# KiCad board mainboard.kicad_pcb (continued)
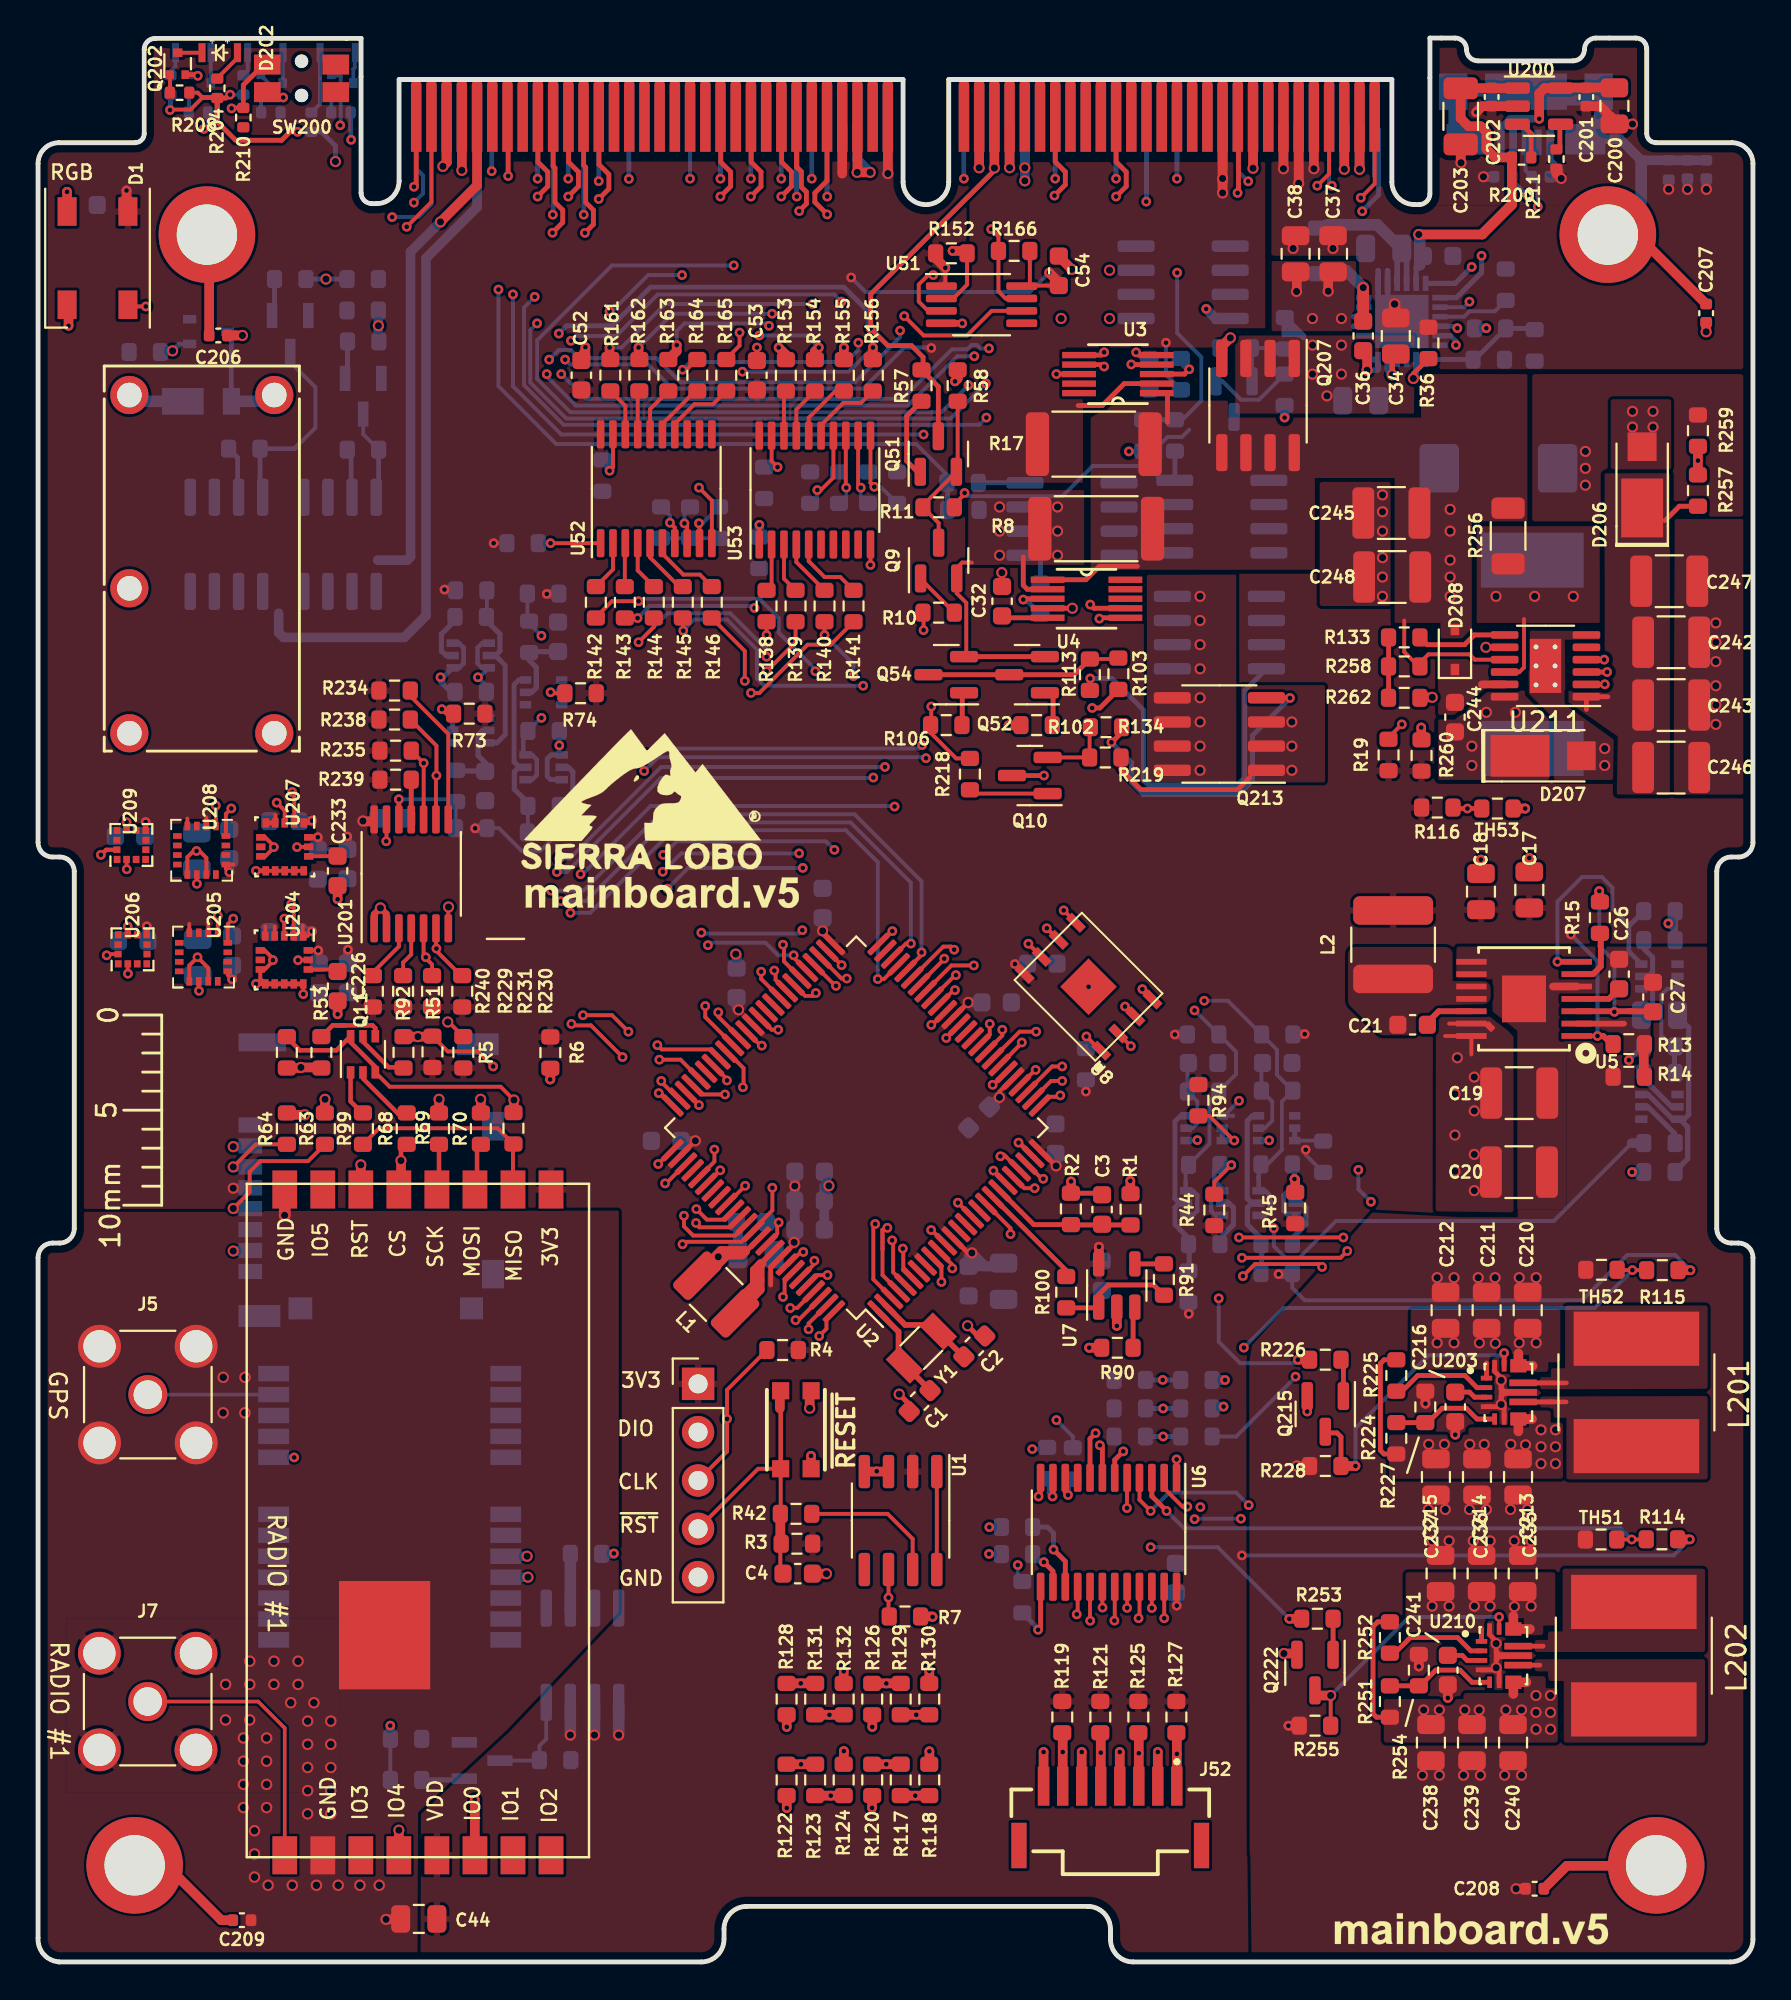
[diagram p0: board, top side]
## Routing (per net, layer and track width the routed paths; a pad name or vN(x,y) marks a point on that pad's centre or on a via; arc(x,y) is an arc through that point) (continued)
  In2.Cu w0.203: v3(50.12,91.1) 50.32,91.3 57.03,91.3 v3(58.27,92.54)
  Bottom w0.254: v3(58.27,92.54) 58.28,92.56 58.28,96.55
/SLI_Card/H1-43: length 20.3
  Top w0.203: U51.2 48.12,87.45 48.85,88.18 R152.2
  Top w0.508: R152.2 48.72,89.95 v3(48.08,89.95)
  In2.Cu w0.203: v3(59.88,93.75) 58.56,93.75 56.44,91.63 49.76,91.63 v3(48.08,89.95)
  Bottom w0.254: v3(59.88,93.75) 59.88,96.55
/SLI_Card/Payload_Regulator/EN: length 13.7
  Top w0.203: R255.1 v2(67.97,14.01) ; U210.14 v3(76.82,18.14)
  Top w0.508: 67.14,14.21 67.35,14.01 v2(67.97,14.01)
  Bottom w0.203: v3(76.82,18.14) 72.09,18.14 v2(67.97,14.01)
/SLI_Card/RBF: length 87.7
  Top w0.508: R102.2 51.67,65.01 v3(51.03,65.01)
  In2.Cu w0.203: v3(65.54,81.19) 64.44,81.19 58.6,87.03 53.06,87.03 v3(48.92,82.89) 48.16,82.13 48.16,67.88 v3(51.03,65.01) ; v3(36.58,89.19) 36.53,89.24 36.53,91.35 34.28,93.6 v3(34.28,93.75)
  Bottom w0.203: v3(34.28,93.75) 34.28,96.55 ; v3(48.92,82.89) 47.5,81.47 27.99,81.47 26.24,83.22 26.24,85.26 30.18,89.19 v3(36.58,89.19)
  Bottom w0.508: v3(65.54,81.19) R105.2
/SLI_Card/RF_Regulator/EN: length 15
  Top w0.254: 67.68,27.81 68.3,27.81 68.51,27.61 68.51,26.27 ; 77.09,32.07 U203.14
  Top w0.508: v3(69.27,26.07) R228.1
  Bottom w0.203: 69.27,26.27 69.27,28.06 73.1,31.89 76.84,31.89 76.86,31.87 77.01,32.01 v3(77.09,32.01)
/SLI_Card/SEP1: length 51.5
  Top w0.203: R10.2 46.56,70.9 v3(46.56,70.02)
  In2.Cu w0.203: v3(24.97,87.67) 24.64,87.34 23.39,87.34 20.26,90.47 20.26,92 v3(19.76,92.49) ; v3(46.56,80.3) v3(46.56,70.02)
  Bottom w0.203: v3(24.97,87.67) 24.97,82.84 27.51,80.3 v3(46.56,80.3) ; v3(19.76,92.49) 20.25,92.98 20.25,93.92 19.88,94.28 P1.1
/SLI_Card/SEP2: length 43.7
  Top w0.254: v3(19.76,93.33) 19.88,93.45 P1.2
  In2.Cu w0.203: v3(19.76,93.33) 20.59,92.5 20.59,90.65 23.57,87.67 23.96,87.67 v3(24.21,87.92)
  Bottom w0.203: R111.1 47.79,78.19 46.18,79.79 27.26,79.79 24.21,82.84 v3(24.21,87.92)
  Bottom w0.254: R220.2 47.83,77.72
/SLI_Card/SEP3: length 29.5
  In2.Cu w0.203: v3(69.62,92.04) 69.09,92.04 68.28,91.22 65.1,91.22 63.07,89.19 60.28,89.19 v3(59.9,88.81)
  Bottom w0.203: v3(59.9,88.81) 59.9,85.64 61.17,84.37 61.17,82.08 60.16,81.08 R112.1
  Bottom w0.254: R112.1 R221.2 ; 70.27,96.55 70.49,96.33 70.49,92.9 v3(69.62,92.04) ; P1.119 70.28,93.87
/SLI_Card/SEP4: length 52.1
  Top w0.203: R218.2 48.27,63.27 46.93,64.62 R106.2 46.97,65.06 v3(46.97,66) ; v3(69.55,92.75) 70.28,93.48 P1.120
  In2.Cu w0.203: v3(46.97,66) 47.45,66.48 47.45,84.11 52.91,89.57 62.69,89.57 64.72,91.61 67.87,91.61 69.01,92.75 v3(69.55,92.75)
/SLI_Card/~{USB_FLAG}: length 1.9
  Top w0.254: R200.2 78.51,96.11 78.01,96.61
AIN4: length 72.1
  Top w0.203: U2.5 44.96,36.26 44.96,37.88 v3(44.91,37.93)
  In2.Cu w0.203: v3(28.69,91.86) 28.27,91.44 28.27,90.68 28.64,90.31 31.47,90.31 34.73,87.06 34.73,80.71 36.4,79.03 36.4,74.08 35.43,73.1 35.43,68.95 34.88,68.41 34.88,58.33 35.7,57.51 35.7,52.63 38.43,49.9 39.65,49.9 45.14,44.41 45.14,38.16 v3(44.91,37.93)
  Bottom w0.254: 28.7,96.56 28.7,91.85
AIN5: length 5.8
  Top w0.254: U2.18 54.06,36.35 R100.2
AIN7: length 70.1
  Top w0.203: U2.20 50.92,40.92 v3(50.23,41.6)
  Top w0.254: v3(28.76,90.9) 29.2,91.35 29.2,92.1 28.79,92.51 28.79,94.35 28.68,94.46 P1.24
  In2.Cu w0.203: v3(28.76,90.9) 32.4,90.9 35.39,87.92 35.39,81.44 37.06,79.77 37.06,73.72 36.09,72.75 36.09,68.68 35.54,68.13 35.54,59.2 36.4,58.33 36.4,54.1 37.29,53.21 37.29,51.98 38.69,50.58 39.96,50.58 48.94,41.6 v3(50.23,41.6)
AIN10: length 71.8
  Top w0.203: U2.3 43.92,35.89 43.92,38.7 v3(44.02,38.8)
  In2.Cu w0.203: v3(27.07,91.86) 26.56,91.35 26.56,89.57 27.14,88.99 29.75,88.99 32.41,86.32 32.41,74 33.35,73.06 33.35,57.19 34.01,56.53 34.01,53.02 36.27,50.76 36.27,49.62 36.93,48.96 38.2,48.96 44.02,43.14 v3(44.02,38.8)
  Bottom w0.254: P1.19 27.08,91.85
AIN11: length 73.9
  Top w0.203: v3(44.66,38.6) 44.56,38.49 44.4,38.49 ; 44.4,38.49 44.4,37.48 ; 44.4,38.49 44.4,37.48 ; 44.4,37.48 44.4,36.11 U2.4
  Top w0.254: v3(27.05,90.91) 27.59,91.45 27.59,92.1 27.18,92.51 27.18,94.31 27.08,94.41 P1.20
  In2.Cu w0.203: v3(27.05,90.91) 27.05,89.76 27.49,89.32 29.88,89.32 32.74,86.46 32.74,80.66 35.26,78.14 35.26,74.71 34.44,73.89 34.44,69.45 33.81,68.82 33.81,57.37 34.34,56.83 34.34,53.35 38.13,49.57 39.32,49.57 44.66,44.23 v3(44.66,38.6)
BATT_NTC: length 156.3
  Top w0.203: v3(57.25,23.86) 57.25,24.89 57.26,24.9 U6.5
  Top w0.272: U211.8 v2(76.13,69.11)
  In2.Cu w0.203: v2(76.13,69.11) 75.9,69.35 75.9,77.03 73.53,79.39 58.65,79.39 56.85,81.19 v3(49.86,81.19) 49.86,79.64 52.45,77.05 52.45,74.1 53.67,72.89 55.22,72.89 57,71.11 57,56.66 61.8,51.86 61.8,48.42 64.43,45.78 67.4,45.78 68.81,44.37 68.81,39.28 68.13,38.6 68.13,36.37 67.14,35.38 67.14,33.28 65.56,31.7 65.56,29.83 63.09,27.37 63.09,23.46 v3(63.25,23.3) ; v3(60.81,23.28) 60.23,22.69 57.89,22.69 57.25,23.33 v3(57.25,23.86) ; v3(26.11,87.54) 23.85,89.8 v3(23.85,94.15)
  Bottom w0.203: v3(60.81,23.28) 60.84,23.3 v3(63.25,23.3) ; v3(26.11,87.54) 25.55,86.98 25.55,82.89 27.64,80.81 49.48,80.81 v3(49.86,81.19)
  Bottom w0.254: v3(23.85,94.15) 23.85,96.55
BURN_RELAY_A: length 72.9
  Top w0.203: v3(30.73,47.57) 29.07,49.24 28.12,49.24 v3(28.04,49.31) ; 36.22,39.85 v3(37.18,40.81)
  In2.Cu w0.203: v3(30.73,47.57) 30.73,46.6 33.56,43.78 35.28,43.78 37.18,41.88 v3(37.18,40.81) ; v2(7.07,84.7) 7.07,85.11 8.26,86.3 13.13,86.3 16.84,82.59 23.95,82.59 27.51,79.03 27.51,70.31 28.24,69.58 28.24,58.62 29.06,57.8 29.06,52.01 28.04,50.99 v3(28.04,49.31)
  Bottom w0.203: 7.43,85.05 7.96,85.05 Q6.1
  Bottom w0.254: 6.25,84.7 v2(7.07,84.7) 7.43,85.05
  Bottom w0.508: R25.1 6.5,84.7 v2(7.07,84.7)
CTS_MCU_3: length 56.7
  Top w0.203: U2.45 47.6,53.38 48.01,53.38 v3(48.17,53.22)
  Top w0.254: P1.78 53.48,94.64 54.02,94.11 54.02,93.43 v3(53.44,92.86)
  In2.Cu w0.203: v3(53.44,92.86) 53.2,92.62 48.91,92.62 41.86,85.57 41.86,70.78 42.37,70.27 42.37,59.47 45.4,56.44 45.41,56.44 48.17,53.68 v3(48.17,53.22)
CTS_MCU_4: length 52.8
  Top w0.203: v3(38.02,52.06) 38.02,51.68 U2.59
  In2.Cu w0.203: v3(29.48,93.62) 29,93.14 29,92.27 29.91,91.35 32.51,91.35 35.72,88.14 35.72,81.88 37.39,80.2 37.39,73.59 36.42,72.61 36.42,68.51 35.89,67.98 35.89,59.86 36.86,58.89 36.86,54.1 37.67,53.29 37.67,52.41 v3(38.02,52.06)
  Bottom w0.254: v3(29.48,93.62) 29.48,96.42
EN_PAYLOAD: length 50.3
  Top w0.203: 36.22,47.86 37.1,46.99 37.1,46.02 v3(37.06,45.99)
  Top w0.508: v3(65.79,18.04) 66.44,18.04 R253.2
  In2.Cu w0.203: v3(58.5,21.81) 56.11,21.81 55.37,22.54 55.37,26.66 54.97,27.06 54.97,30.52 48.31,37.17 47.63,37.17 46.15,35.7 44.91,35.7 40.97,39.64 40.97,42.08 v3(37.06,45.99)
  Bottom w0.203: v3(58.5,21.81) 62.02,21.81 v3(65.79,18.04)
EN_RF: length 22.1
  Top w0.203: U2.17 51.13,38.57 v3(51.13,38.27)
  Top w0.508: v3(66.24,31.66) R226.2
  In2.Cu w0.203: v3(62.08,34.89) 54.51,34.89 v3(51.13,38.27)
  Bottom w0.203: v3(66.24,31.66) 66.05,31.48 63.2,31.48 62.08,32.6 v3(62.08,34.89)
ENAB_BURN1: length 65.1
  Top w0.203: U2.85 36.07,39.02 35.17,39.02 v3(34.61,39.58)
  In2.Cu w0.203: v2(15.14,88.47) 15.14,87.59 19.26,83.48 24.21,83.48 28.17,79.52 28.17,70.59 28.9,69.86 28.9,59.06 29.72,58.24 29.72,49.44 28.86,48.58 28.86,46.57 33.89,41.54 33.89,40.31 v3(34.61,39.58)
  Bottom w0.254: R32.2 v2(15.14,88.47) R27.1
ENAB_BURN2: length 62.1
  Top w0.203: v3(34.6,38.85) 34.77,38.68 34.77,38.62 36.38,38.62 U2.86
  In2.Cu w0.203: v3(34.6,38.85) 35,38.85 35.25,39.11 35.25,39.62 34.27,40.6 34.27,41.79 29.52,46.55 29.52,48.43 30.08,48.99 30.08,58.55 29.23,59.41 29.23,70.2 28.5,70.93 28.5,79.69 24.34,83.86 20.06,83.86 v2(17.89,86.02)
  Bottom w0.508: R33.2 17.89,85.22 v2(17.89,86.02) R28.1
ENAB_GPS: length 44.8
  Top w0.203: U2.98 39.98,33.74 v3(39.83,33.74)
  In2.Cu w0.203: v3(39.83,33.74) 39.88,33.79 41.05,33.79 41.66,33.19 41.66,22.39 32.57,13.3 27.49,13.3 26.61,12.43 v3(18.52,12.43)
  Bottom w0.203: R21.1 R22.1
  Bottom w0.508: v3(18.52,12.43) 18.52,11.73 R21.1
FLASH_CS: length 6.7
  Top w0.203: U2.33 51.61,48.91 v3(52.48,48.91) ; 55.87,47.91 v3(55.12,48.65)
  In2.Cu w0.203: v3(52.48,48.91) 52.73,48.65 v3(55.12,48.65)
FLASH_IO2: length 9.4
  Top w0.203: v3(53.85,47.08) 53.32,47.08 U2.28 ; 57.68,49.7 v3(57.15,50.23)
  Top w0.338: U8.3 57.17,50.23 v3(57.15,50.23)
  In2.Cu w0.203: v3(57.15,50.23) 57.15,48.76 55.48,47.08 v3(53.85,47.08)
FLASH_IO3: length 17.9
  Top w0.203: U2.29 52.43,46.9 v3(52.45,46.9) ; 52.23,53.38 52.77,52.84 v3(52.07,53.53)
  In2.Cu w0.203: v3(52.45,46.9) 52.45,47.66 52.89,48.09 55.42,48.09 55.88,48.56 55.88,48.91 55.17,49.62 54.36,49.62 53.6,50.38 53.6,54.75 53.34,55 52.53,55 52.07,54.55 v3(52.07,53.53)
FLASH_MISO: length 7.2
  Top w0.203: v3(53.85,46.32) 53.26,46.32 U2.27 ; 56.8,48.8 v3(57.46,48.15)
  In2.Cu w0.203: v3(57.46,48.15) 57.46,48.09 55.68,46.32 v3(53.85,46.32)
FLASH_MOSI: length 16.3
  Top w0.203: U2.26 53.14,45.48 53.68,45.48 v3(53.75,45.55) ; 54.57,54.64 v3(53.93,55.28)
  In2.Cu w0.203: v3(53.75,45.55) 52.94,46.37 52.94,47.28 53.29,47.64 55.43,47.64 56.34,48.55 56.34,49.31 55.48,50.18 54.77,50.18 54.16,50.79 54.16,55.05 v3(53.93,55.28)
FLASH_SCK: length 9.8
  Top w0.203: v3(51.73,48.34) 51.73,48.31 U2.32 ; 53.14,54.24 53.65,53.73 v3(53.04,54.34)
  In2.Cu w0.203: v3(51.73,48.34) 51.73,48.87 53.04,50.18 v3(53.04,54.34)
GPS_PWR_IN: length 3.2
  Bottom w0.61: 27.99,21.58 27.99,18.38
MISO: length 95.9
  Top w0.203: v3(45.89,53.54) 45.64,53.54 U2.48 ; v2(25.02,45.31) 24.32,46.01 18.49,46.01 Q11.3 ; 38.31,70.4 v3(38.31,69.76)
  Top w0.235: Q11.3 17.73,47.05 16.43,48.35 Q11.6 15.69,47.93 13.76,47.93 13.08,48.61
  Top w0.508: 25.01,44.63 25.02,44.65 v2(25.02,45.31)
  In2.Cu w0.203: v3(38.31,69.76) 38.39,69.76 39.54,68.62 39.54,57.28 39.88,56.93 41.46,56.93 44.85,53.54 v3(45.89,53.54) ; v3(27.49,55.77) 27.49,52.67 20.86,46.04 14.68,46.04 13.36,44.72 13.36,44.18 13.67,43.88 23.59,43.88 v2(25.02,45.31)
  Bottom w0.203: v3(27.49,55.77) 28.81,55.77 32.95,59.91 42.73,59.91 45.89,56.74 v3(45.89,53.54)
MISO_RF1: length 11
  Top w0.203: 24.97,42.95 U23.10 ; R99.2 17.93,43.83 24.17,43.83 25.01,42.98
MISO_SD: length 15.9
  Top w0.235: 13.08,47.03 13.82,47.03 v2(13.82,47.03) 13.83,47.03 15.08,47.03
  Top w0.508: R53.2 14.86,47.03 v2(13.82,47.03) 13.79,47 R104.1
  In2.Cu w0.203: v2(10.26,37.38) 11.03,38.14 11.03,44.34 13.72,47.03 v2(13.82,47.03)
  Bottom w0.508: v2(10.26,37.38) 11.14,37.38 J1.7
MOSI: length 110.9
  Top w0.203: 29.34,70.65 29.34,70.7 ; v3(31.57,71.54) 30.18,71.54 29.33,70.69 R142.1 ; v3(46.45,53.07) 46.45,52.94 U2.46 ; v2(23.27,45.35) 23.27,44.65
  Top w0.508: v2(23.27,45.35) 23.28,45.34 R70.1 ; R64.2 13.18,44.54 v2(14.02,44.54)
  In2.Cu w0.203: v3(26.98,56.32) 26.96,56.31 26.96,52.93 20.5,46.47 14.63,46.47 12.83,44.67 12.83,43.75 13.11,43.47 24.59,43.47 25.81,44.69 25.81,45.63 25.38,46.06 23.98,46.06 v2(23.27,45.35) 22.46,44.54 v2(14.02,44.54) ; v3(40.87,67.85) 41.02,67.7 41.02,58.13 42.04,57.11 43.08,57.11 46.45,53.74 v3(46.45,53.07)
  Bottom w0.203: v3(31.57,71.54) 31.7,71.67 37.92,71.67 38.94,70.65 38.94,69.89 40.87,67.96 v3(40.87,67.85) ; v3(26.98,56.32) 28.68,56.32 32.7,60.34 42.93,60.34 46.45,56.81 v3(46.45,53.07)
MOSI_RF1: length 2.5
  Top w0.235: 23.08,43.02 23.08,40.51
MOSI_SD: length 4.2
  Top w0.203: R64.1 11.45,42.98 v2(10.26,41.8)
  Bottom w0.508: J1.3 10.27,41.8 v2(10.26,41.8)
MUX_S0: length 29.2
  Top w0.203: v3(36.12,45.61) 34.91,45.61 U2.72
  In2.Cu w0.203: v3(36.12,45.61) 36.12,45.45 40.58,41 40.58,39.56 44.77,35.37 45.9,35.37 52.78,28.49 v3(53.55,28.49)
  Bottom w0.203: R79.1 54.41,27.62 v3(53.55,28.49)
MUX_S1: length 26.8
  Top w0.203: U2.80 34.78,41.29 35.56,42.08 v3(35.56,42.71)
  In2.Cu w0.203: v3(52.28,26.96) 52.28,27.22 44.98,34.51 44.59,34.51 39.21,39.89 37.01,39.89 36.48,40.42 36.48,41.8 v3(35.56,42.71)
  Bottom w0.203: R80.1 52.97,26.96 v3(52.28,26.96)
MUX_S2: length 29.6
  Top w0.203: v3(35.87,41.62) 35.16,40.91 U2.81
  In2.Cu w0.203: v3(50,21.45) 50.68,22.13 50.68,27.88 39.04,39.51 36.83,39.51 35.87,40.47 v3(35.87,41.62)
  Bottom w0.203: R81.1 50.01,21.44 v3(50,21.45)
MUX_S3: length 23.7
  Top w0.203: U2.95 40.82,36.7 v3(40.82,36.87)
  In2.Cu w0.203: v3(40.82,36.87) 40.82,35.83 48.97,27.67 48.97,21.63 49.74,20.87 v3(51.51,20.87)
  Bottom w0.203: v3(51.51,20.87) 51.51,20.24 R88.1
NeoPixel_Out: length 76.6
  Top w0.254: v3(63.07,93) 63.12,93.05 63.12,96.55
  Top w0.508: D1.2 1.53,93.05 v3(1.52,93.06)
  In2.Cu w0.203: v3(45.33,85.76) 45.64,85.76 50.85,90.97 58.05,90.97 59.2,92.11 62.82,92.11 63.07,92.37 v3(63.07,93) ; v3(1.52,93.06) 1.52,93.18 2.75,94.4 10.62,94.4 20.65,84.37 26.75,84.37 v3(26.88,84.24)
  Bottom w0.203: v3(26.88,84.24) 27.38,84.75 28.02,84.75 28.45,84.31 32.52,84.31 33.79,83.04 42.95,83.04 45.33,85.42 v3(45.33,85.76)
PA19: length 55.5
  Top w0.203: 39.73,52.8 U2.55
  Top w0.254: 27.9,96.56 27.9,94.62 28.41,94.11 28.41,93.34 v3(27.88,92.81)
  In2.Cu w0.203: v3(35.22,53.45) 35.36,53.59 35.36,57.09 34.5,57.95 34.5,68.49 35.1,69.09 35.1,73.41 36.02,74.33 36.02,78.65 34.4,80.27 34.4,86.75 31.17,89.98 28.25,89.98 27.88,90.35 v3(27.88,92.81)
  Bottom w0.203: v3(39.73,52.92) 38.92,52.92 38.26,53.58 35.35,53.58 v3(35.22,53.45)
PB16: length 63.8
  Top w0.203: U2.64 37.99,48.17 v3(38.05,48.17)
  In2.Cu w0.203: v3(41.49,92.81) 41.98,92.33 41.98,91.62 41.73,91.38 41.73,86.78 40.46,85.51 40.46,76.87 40.85,76.49 40.85,69.13 41.71,68.26 41.71,58.63 v3(41.87,58.47) ; v3(38.05,48.17) 36.4,48.17 32.26,52.31 32.26,57.59 v3(32.87,58.2)
  Bottom w0.203: v3(41.87,58.47) 41.43,58.92 33.58,58.92 v3(32.87,58.2)
  Bottom w0.254: v3(41.49,92.81) 41.48,92.82 P1.55
PB17: length 61.1
  Top w0.203: v3(35.77,49.92) 35.77,49.7 U2.65 ; 40.38,93.04 40.13,93.29 40.13,94.1 39.88,94.34 39.88,94.83
  Top w0.254: v3(40.02,92.05) 40.4,92.43 40.4,93.06 40.14,93.32 40.14,94.12 39.88,94.38 P1.52 39.88,94.47
  In2.Cu w0.203: v3(40.21,57.52) 40.59,57.9 40.59,58.97 40.2,59.36 40.2,68.84 40.19,68.85 40.19,75.96 39.81,76.34 39.81,91.83 v3(40.02,92.05) ; v3(33.1,56.43) 33.1,53.38 35.77,50.71 v3(35.77,49.92)
  Bottom w0.203: v3(40.21,57.52) 34.19,57.52 v3(33.1,56.43)
PB18: length 65.8
  Top w0.203: U2.66 35.08,49.67 v3(35.08,50.26)
  In2.Cu w0.203: v3(32.84,57.32) 32.59,57.06 32.59,52.75 v3(35.08,50.26) ; 39.87,68.71 39.87,67.69 39.87,68.75 ; 39.87,68.71 39.87,58.43 v3(40.02,58.28) ; 39.87,68.71 39.86,68.72 39.86,75.58 39.48,75.96 39.48,92.39 v3(39.89,92.81)
  Bottom w0.203: v3(39.89,92.81) 39.9,92.82 39.9,94.47 ; v3(40.02,58.28) 33.81,58.28 v3(32.84,57.32)
  Bottom w0.254: 39.9,96.56 39.9,94.47 ; v3(39.89,92.81) 39.88,92.82 P1.51 ; 39.9,93.64 39.9,96.55
PC03: length 77.9
  Top w0.203: U2.6 45.49,36.43 45.49,37.48 v3(45.47,37.5)
  Top w0.254: v3(24.72,93.89) 24.72,96.69
  In2.Cu w0.203: v3(30.05,86.78) 28.86,87.97 26.61,87.97 24.72,89.87 v3(24.72,93.89) ; v3(33.86,88.68) 35.06,87.49 35.06,81.04 36.73,79.36 36.73,73.94 35.76,72.97 35.76,68.82 35.21,68.27 35.21,58.64 36.07,57.77 36.07,52.73 38.57,50.23 39.79,50.23 45.67,44.34 45.67,37.71 v3(45.47,37.5)
  Bottom w0.203: v3(30.05,86.78) 30.18,86.78 32.08,88.68 v3(33.86,88.68)
PC05: length 83.1
  Top w0.203: U2.21 51.85,40.68 v3(52.4,40.68)
  In2.Cu w0.203: v3(52.4,40.68) 52.25,40.53 47.86,40.53 47.55,40.22 47.55,38.14 45.98,36.56 45.01,36.56 42.88,38.7 42.88,42.08 37.7,47.26 36.1,47.26 31.55,51.8 31.55,61.23 32.46,62.14 32.46,72.81 31.65,73.62 31.65,83.02 31.07,83.6 31.07,86.65 29.42,88.3 26.75,88.3 25.78,89.27 25.78,93.27 v3(26.27,93.75)
  Bottom w0.254: v3(26.27,93.75) 26.27,96.55
PC06: length 82.9
  Top w0.203: U2.22 51.15,42.09 51.14,42.09 50.77,42.46 ; v3(50.6,42.35) 50.87,42.35
  Top w0.254: P1.18 26.28,94.62 26.8,94.11 26.8,93.34 v3(26.27,92.81)
  In2.Cu w0.203: v3(26.27,92.81) 26.23,92.77 26.23,89.33 26.9,88.66 29.53,88.66 32.08,86.1 32.08,73.83 32.97,72.94 32.97,61.76 31.88,60.67 31.88,52.02 36.24,47.67 38.15,47.67 43.47,42.34 43.47,38.66 45.11,37.02 45.88,37.02 46.28,37.43 46.28,39.81 47.4,40.93 50.37,40.93 50.88,41.44 50.88,42.08 v3(50.6,42.35)
PC07: length 76.4
  Top w0.203: U2.23 52.77,41.17 v3(52.85,41.17)
  In2.Cu w0.203: v3(40.19,54.24) 40.59,53.84 40.59,51.96 42.07,50.48 46.56,50.48 52.85,44.19 v3(52.85,41.17) ; v3(34.88,54.11) 34.98,54.22 34.98,56.88 34.14,57.72 34.14,68.64 34.77,69.27 34.77,73.59 35.64,74.46 35.64,78.4 33.1,80.94 33.1,87.54 30.99,89.65 27.92,89.65 27.55,90.02 27.55,92.1 27.4,92.26 27.4,93.27 v3(27.88,93.75)
  Bottom w0.203: v3(40.19,54.24) 40.01,54.06 34.93,54.06 v3(34.88,54.11)
  Bottom w0.254: v3(27.88,93.75) 27.88,96.55
PC10: length 59.8
  Top w0.203: U2.40 47.02,49.26 v3(46.97,49.26)
  In2.Cu w0.203: v3(31.07,93.74) 36.38,88.43 36.38,82.61 38.05,80.94 38.05,76.83 38.76,76.12 38.76,74.03 37.07,72.34 37.07,68.15 36.55,67.63 36.55,60.9 37.52,59.93 37.52,54.72 38.41,53.84 38.41,53.23 39.88,51.75 39.88,51.17 41.1,49.95 46.28,49.95 v3(46.97,49.26)
  Bottom w0.254: v3(31.07,93.74) 31.07,96.53
PC11: length 51.7
  Top w0.203: v3(48.21,51.09) 48.14,51.09 U2.41
  Top w0.254: v3(41.49,91.87) 40.85,92.52 40.85,93 41.48,93.64 P1.56
  In2.Cu w0.203: v3(48.21,51.09) 47.07,52.24 47.07,53.73 43.18,57.62 42.04,57.62 41.35,58.31 41.35,68.15 40.52,68.99 40.52,76.16 40.14,76.54 40.14,85.69 41.23,86.78 41.23,91.61 v3(41.49,91.87)
RF1_ANT: length 14.5
  Top w0.191: J7.1 11.57,13.69 12.97,12.29 U23.1
RF1_CS: length 64.3
  Top w0.203: R5.2 21.59,49.42 v2(21.54,49.42) ; U2.68 35.37,47.98 32.79,47.98 v3(32.57,48.2)
  Top w0.235: 19.08,40.51 v2(19.08,42.13) 19.08,43.02
  Top w0.508: v2(19.08,42.13) 19.08,40.72 U23.13
  In2.Cu w0.203: 32.62,48.25 v3(32.57,48.2) 32.67,48.2 33.38,47.49 33.38,46.98 33.23,46.82 32.51,46.82 31.19,48.15 30.28,48.15 30.03,47.89 30.03,46.67 34.7,42 34.7,40.98 35.74,39.94 35.74,38.98 34.98,38.21 33.28,38.21 29.36,42.13 v2(19.08,42.13) 18.22,42.99 12.58,42.99 12.25,43.32 12.25,44.64 15.55,47.94 20.07,47.94 v2(21.54,49.42)
RF1_IO0: length 61
  Top w0.203: 47.38,37.34 48.07,36.65 v3(48.07,36.46)
  Top w0.508: v3(22.96,8.52) 22.96,5.62 U23.6
  In2.Cu w0.203: v3(48.07,36.46) 47.45,36.46 46.94,35.95 46.94,35.29 47.63,34.61 49.33,34.61 54.05,29.88 54.05,26.81 54.71,26.15 54.71,21.88 52.78,19.95 46.89,19.95 44.71,17.77 37.8,17.77 28.55,8.52 v3(22.96,8.52)
RF1_IO4: length 63
  Top w0.203: U2.9 47.5,36.55 v3(47.5,35.75)
  Top w0.508: v2(18.97,6.93) U23.4
  In2.Cu w0.203: v3(47.5,35.75) 48.95,35.75 54.49,30.21 54.49,26.96 55.04,26.4 55.04,21.75 52.92,19.62 47.12,19.62 44.94,17.44 37.98,17.44 28.4,7.86 19.91,7.86 v2(18.97,6.93)
RF1_RST: length 58.4
  Top w0.203: v3(39.55,34.38) 39.91,34.38 U2.97
  Top w0.508: U23.14 16.97,40.61 v2(16.97,41.91)
  In2.Cu w0.203: v2(16.97,41.91) 17.79,41.08 28.7,41.08 32.97,36.82 32.97,19.39 33.53,18.83 35.48,18.83 37.37,20.72 37.37,32.19 v3(39.55,34.38)
RTS_MCU_3: length 55.5
  Top w0.203: U2.44 47.65,52.72 v3(47.65,52.75)
  In2.Cu w0.203: v3(47.65,52.75) 47.65,53.74 45.89,55.5 45.88,55.5 42.04,59.34 42.04,69.96 41.53,70.47 41.53,85.77 48.71,92.95 52.68,92.95 v3(53.48,93.75)
  Bottom w0.254: v3(53.48,93.75) 53.48,96.55
RTS_MCU_4: length 53
  Top w0.203: U2.58 38.78,51.63 38.78,52.06 v3(38.71,52.12)
  Top w0.254: 29.5,96.44 29.5,94.5 30.01,93.98 30.01,93.22 v3(29.48,92.68)
  In2.Cu w0.203: v3(38.71,52.12) 38.08,52.76 38.08,53.35 37.19,54.24 37.19,59.32 36.22,60.29 36.22,67.85 36.74,68.37 36.74,72.47 38.43,74.16 38.43,75.98 37.72,76.7 37.72,80.51 36.05,82.18 36.05,88.28 32.59,91.73 30.43,91.73 v3(29.48,92.68)
RX_MCU: length 33.3
  Top w0.203: 41.45,33.8 41.45,33.29 v3(41.07,32.91)
  In2.Cu w0.203: v2(25.71,21.33) 24.89,20.51 24.89,19.72 27,17.61 35.74,17.61 38.31,20.18 38.31,29.98 41.07,32.75 v3(41.07,32.91)
  Bottom w0.508: v2(25.71,21.33) U14.20
RX_MCU_2: length 22.4
  Top w0.203: v3(38.31,67.86) 39.83,69.38 39.83,70.4 ; U2.52 42.25,52.4 v3(42.25,52.4)
  In2.Cu w0.203: v3(42.25,52.4) 42.25,54.15 41.52,54.88 39.75,54.88 38.51,56.12 38.51,67.65 v3(38.31,67.86)
RX_MCU_3: length 23.5
  Top w0.203: U2.42 48.22,51.88 v3(48.26,51.88) ; 41.35,70.4 v3(41.35,69.76)
  In2.Cu w0.203: v3(48.26,51.88) 48.72,52.34 48.72,53.86 42.88,59.7 v3(42.88,67.6)
  Bottom w0.203: v3(41.35,69.76) 42.88,68.24 v3(42.88,67.6)
RX_MCU_4: length 23
  Top w0.203: v3(37.49,66.71) 37.92,66.71 40.46,69.25 41.67,69.25 R141.1 ; v3(39.17,53.48) 39.22,53.43 39.22,52.61 U2.56
  In2.Cu w0.203: v3(39.17,53.48) 39.17,53.88 37.85,55.2 37.85,66.35 v3(37.49,66.71)
SCK: length 76.9
  Top w0.203: U2.47 44.48,51.67 v3(44.15,51.67) ; v3(31.52,70.65) 31.51,70.64 30.87,70.64
  Top w0.508: R69.2 21.08,44.64 v2(21.08,45.35) ; R63.2 15.09,44.64 v2(15.09,45.35)
  In2.Cu w0.203: v3(44.15,51.67) 44.15,53.58 41.29,56.44 39.61,56.44 39.21,56.85 39.21,68.48 38.56,69.13 38.05,69.13 37.67,69.51 v3(37.67,71.18) ; v3(27.99,55.16) 27.99,52.26 v2(21.08,45.35) v2(15.09,45.35)
  Bottom w0.203: v3(44.15,51.67) 44.15,57.82 42.47,59.5 33.38,59.5 29.03,55.16 v3(27.99,55.16) ; v3(31.52,70.65) 32.16,71.29 37.57,71.29 v3(37.67,71.18)
SCK_RF1: length 2.5
  Top w0.235: 21.08,43.02 21.08,40.51
SCK_SD: length 7.7
  Top w0.203: v2(10.26,39.61) 11.13,40.47 11.13,41.54 11.69,42.1 14.2,42.1 R63.1
  Bottom w0.508: J1.5 10.27,39.6 v2(10.26,39.61)
SCL: length 119.4
  Top w0.203: U51.3 46.79,86.8 46.31,87.29 46.31,88.19 46.8,88.68 v3(47.07,88.68) ; v3(50.04,49.31) 50.04,48.75 U2.35
  Top w0.508: R45.2 66.1,41.12 v3(66.06,41.16)
  In2.Cu w0.203: v3(66.06,41.16) 61.09,41.16 58.35,43.9 54.07,43.9 50.04,47.93 v3(50.04,49.31) 49.99,49.36 49.99,54.01 43.92,60.08 v3(43.92,62.27) 43.92,64.45 44.5,65.04 44.5,86.17 47.02,88.68 v3(47.07,88.68) ; v3(27.28,57.3) 27.51,57.3 27.91,57.7 27.91,69.45 26.85,70.51 24.15,70.51 21.18,67.54 v3(21.16,67.54)
  Bottom w0.203: v3(43.92,62.27) 43.89,62.24 32.74,62.24 27.8,57.3 v3(27.28,57.3) ; Q15.1 66.06,40.56 v3(66.06,41.16) 66.06,41.82 R108.2
  Bottom w0.235: 21.31,67.18 21.16,67.32 v3(21.16,67.54) 21.16,67.28 21.92,66.52 ; 21.31,67.18 21.96,66.52 ; 21.31,67.18 21.31,67.53 ; 66.06,41.91 v3(66.06,41.16) 66.07,41.15 Q15.1 65.73,40.55 65.49,40.31 65.49,39.49 65.73,39.25 Q15.3
  Bottom w0.254: Q7.3 22.13,69.33 22.38,69.08 22.38,68.28 22.13,68.03 Q7.1 21.31,67.54 v3(21.16,67.54)
SCL_IMU: length 18.2
  Top w0.254: U201.12 v3(18.97,61.13)
  In2.Cu w0.203: v3(18.97,61.13) 20.65,61.13 23.13,63.6 v3(23.13,67.54)
  Bottom w0.203: R75.1 21.86,61.13 v3(18.97,61.13) ; R66.2 21.95,60.96 ; 23.57,67.09 v3(23.13,67.54) 23.21,67.54 Q7.6
  Bottom w0.235: Q7.6 23.35,68.03 23.11,68.27 23.11,69.09 23.35,69.33 Q7.4
  Bottom w0.508: 21.98,60.99 R75.1
SCL_PWR: length 90.6
  Top w0.254: v3(55.8,70.62) 55.85,70.67 U4.6 ; U3.6 55.91,84.48 v3(56.05,84.62)
  In2.Cu w0.203: v3(61.32,50.53) 61.32,51.88 55.83,57.37 55.83,64.4 56.44,65.01 56.44,69.79 55.8,70.42 v3(55.8,70.62) 55.83,70.65 55.83,71.67 55.07,72.43 53.55,72.43 52.02,73.95 52.02,76.75 49.23,79.54 49.23,81.45 49.74,81.95 54.94,81.95 55.45,82.46 55.45,83.35 ; v3(56.05,84.62) 55.84,84.62 55.45,84.24 55.45,83.35 ; v3(74.55,85) 73.74,84.19 73.74,82.97 70.49,79.72 59.08,79.72 55.45,83.35
  Bottom w0.203: 64.76,40.31 64.76,40.07 64.93,39.9 64.76,39.72 64.76,39.49 ; v3(61.32,50.53) 62.56,50.53 R84.2 65.15,47.95 65.15,46.63 R95.1 65.4,45.23 65.4,42.7 64.63,41.93 R108.1
  Bottom w0.235: 64.18,41.9 64.18,41.24 64.17,41.23 Q15.6 64.52,40.55 64.76,40.31 64.76,39.49 64.52,39.25 Q15.4
  Bottom w0.254: v3(74.55,85) 74.55,85.21 74.27,85.5 U17.5
SD_CS: length 38.4
  Top w0.203: R92.2 v2(19.98,48.65) 20.71,48.65 ; U2.87 36.65,38.19 34.45,38.19 33.96,38.67 v3(33.96,39.23) ; v3(23.93,47.08) 23.14,47.87 21.54,47.87 R51.1
  Top w0.508: R92.2 20.71,48.65 R51.1
  In2.Cu w0.203: v2(10.26,42.86) 10.26,44.39 14.52,48.65 v2(19.98,48.65) ; v3(23.93,47.08) 25.1,47.08 32.95,39.23 v3(33.96,39.23)
  Bottom w0.508: J1.2 11.12,42.86 v2(10.26,42.86)
SDA: length 101.6
  Top w0.203: R44.2 61.85,41 v3(62.74,41.9) ; U51.6 50.14,86.8 48.85,85.51 46.56,85.51 v3(45.54,86.53) ; v3(50.7,49.01) 50.7,48.7 U2.34
  In2.Cu w0.203: v3(27.41,58.01) v3(27.41,63.96) ; v3(45.54,86.53) 45.41,86.53 44.83,85.95 44.83,63.13 v3(44.53,62.83) 44.53,60.24 50.7,54.06 v3(50.7,49.01) 50.7,47.74 53.85,44.59 58.35,44.59 61.05,41.9 v3(62.74,41.9)
  Bottom w0.203: Q8.1 27.41,63.58 R98.2 v3(27.41,63.96) ; v3(27.41,58.01) 27.95,58.01 32.77,62.83 v3(44.53,62.83) ; v3(62.74,41.9) 62.74,41.9 R109.2
  Bottom w0.235: 62.1,41.88 61.85,41.63 61.85,41.09 62.26,40.68 Q16.1 61.92,40.55 61.68,40.31 61.68,39.49 61.92,39.25 Q16.3
  Bottom w0.254: 27.2,62.16 Q8.3 26.95,62.16 26.77,62.34 26.77,63.25 26.98,63.46 Q8.1 27.2,63.46
SDA_IMU: length 24
  Top w0.203: U201.13 18.32,58.89
  In2.Cu w0.203: v3(18.31,58.92) 18.31,60.05 18.75,60.49 20.78,60.49 25.69,65.4 v3(26.47,65.4) v3(26.47,69.72)
  Bottom w0.203: v3(26.47,65.4) 26.45,65.4 R98.1 ; 25.82,70.37 v3(26.47,69.72) ; R67.2 25.73,70.58
  Bottom w0.235: 25.51,64.68 25.51,63.58 Q8.6 ; Q8.6 25.91,63.46 ; Q8.6 25.98,63.46 26.22,63.22 26.22,62.4 25.98,62.16 Q8.4
SDA_PWR: length 91.3
  Top w0.254: v3(56.05,83.87) 55.95,83.98 U3.7 ; U4.7 55.52,71.17 v3(55.32,71.36)
  In2.Cu w0.203: v3(74.63,85.89) 73.23,84.49 73.23,83.22 70.06,80.05 59.88,80.05 v3(56.05,83.87) 56.85,84.67 56.85,85 56.59,85.26 55.58,85.26 54.94,84.62 54.94,82.97 54.43,82.46 49.48,82.46 48.85,81.83 48.85,79.29 51.51,76.62 51.51,73.7 53.29,71.92 54.77,71.92 v3(55.32,71.36) 55.22,71.26 55.22,70.09 56.01,69.3 56.01,65.49 55.27,64.76 55.27,57.35 60.81,51.81 v3(60.81,50.03)
  Bottom w0.203: 60.34,41.07 60.34,41.75 ; v3(60.81,50.03) 60.82,50.03 R85.2 62.99,47.86 62.99,46.67 R96.1 61.59,45.27 61.59,43 R109.1
  Bottom w0.235: Q16.4 60.71,39.25 60.95,39.49 60.95,40.31 60.71,40.55 Q16.6 ; 60.34,40.57 60.34,41.07
  Bottom w0.254: v3(74.63,85.89) 74.52,86 U17.4
